# Altium PCB RTv1.4.PcbDoc (part 1 of 2) (continued)
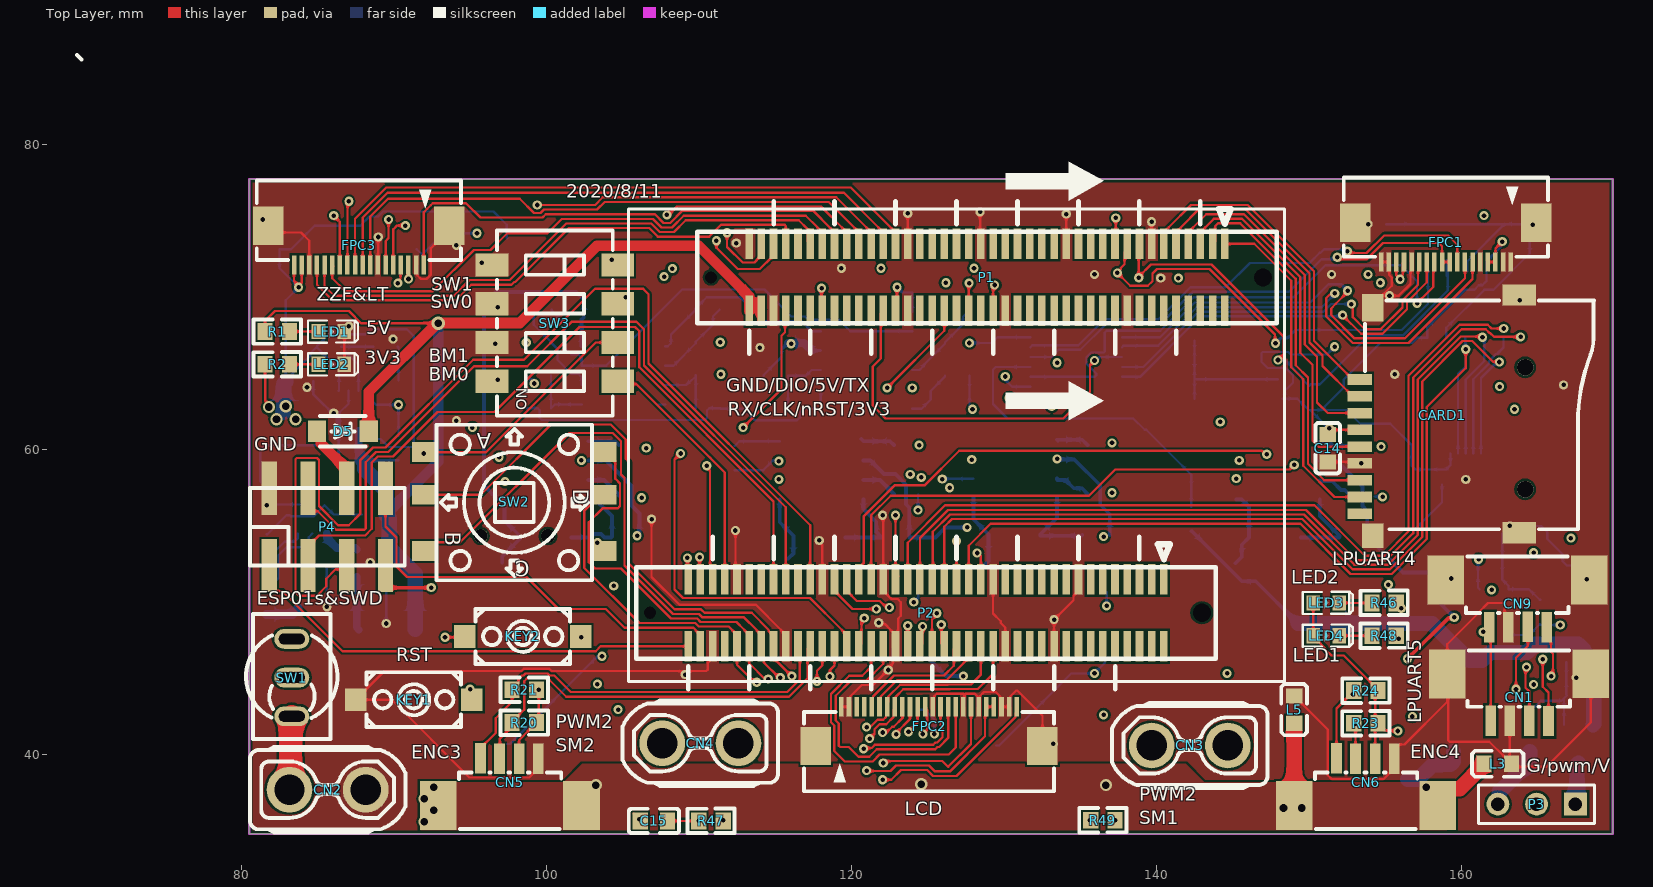
[diagram p0: Top Layer view]
## Footprints (in the part's own frame and the unit in brackets; to place one, negate y for a bottom-side part, rotate by r counter-clockwise, add the part's x,y. Pads: shape width x height; smd on the part's side, far side on the other; paste and mask are expansions set on the pad) (continued)
  rect 1.4x1.5 smd: 1(-3.8,0) 2(3.8,0)
  silkscreen extent -3.1,-1.8 3.1,1.8
L0603 [mm]
  rect 1x1.1 smd: 1(-0.9,0) 2(0.9,0)
  silkscreen extent -1.68,-0.85 1.68,0.85
LED0603_GREEN [mm]
  rect 0.9x1 smd: 1(-0.85,0) 2(0.85,0)
  silkscreen extent -1.54,-0.73 1.75,0.73
LED0603_RED [mm]
  rect 0.9x1 smd: 1(-0.85,0) 2(0.85,0)
  silkscreen extent -1.54,-0.73 1.75,0.73
LGA-16_L3.0-W3.0-P0.50-BL [mm]
  oval 0.28x0.796 smd: 1(-1,-1.55) 2(-0.5,-1.55) 3(0,-1.55) 4(0.5,-1.55) 5(1,-1.55) 9(1,1.55) 10(0.5,1.55) 11(0,1.55) 12(-0.5,1.55) 13(-1,1.55)
  oval 0.796x0.28 smd: 6(1.55,-0.5) 7(1.55,0) 8(1.55,0.5) 14(-1.55,0.5) 15(-1.55,0) 16(-1.55,-0.5)
  silkscreen extent -1.72,-2.3 1.73,1.73
"PCBComponent_1 - duplicate" [mm]
  rect 1.6x0.701 smd: 1(-5.227,2.35) 2(-5.227,1.25) 3(-5.227,0.15) 4(-5.227,-0.95) 5(-5.227,-2.05) 6(-5.227,-3.15) 7(-5.227,-4.25) 8(-5.227,-5.35) 9(-5.227,-6.45)
  rect 1.4x1.6 smd: 10(-4.374,-7.9)
  rect 2.2x1.4 smd: 11(5.226,-7.7) 12(5.226,7.9)
  rect 1.4x1.801 smd: 13(-4.373,7.051)
  round 1.1 hole 1.1 unplated: ""(5.626,-4.85) ""(5.626,3.15)
  silkscreen extent -4.88,-7.47 10.13,7.54
R0603 [mm]
  rect 1x1.1 smd: 1(-0.8,0) 2(0.8,0)
  silkscreen extent -1.55,-0.8 1.55,0.81
R2010 [mm]
  rect 1.4x2.7 smd: 1(-2.5,0) 2(2.5,0)
  silkscreen extent -3.5,-1.6 3.5,1.6
SMT-2.54-2X4P [mm]
  rect 3.5x1 smd: 1(0,0) 2(5.08,0) 3(0,-2.54) 4(5.08,-2.54) 5(0,-5.08) 6(5.08,-5.08) 7(0,-7.62) 8(5.08,-7.62)
  silkscreen extent 0,-8.89 5.08,1.27
SOD-123_L2.8-W1.8-LS3.7-RD [mm]
  rect 1.2x1.4 smd: 1(-1.7,0) 2(1.7,0)
  silkscreen extent -1.5,-1 1.5,1
SOIC-8_L4.9-W3.9-P1.27-LS6.0-BL [mm]
  oval 0.6x1.518 smd: 1(-1.905,-2.74) 2(-0.635,-2.74) 3(0.635,-2.74) 4(1.905,-2.74) 5(1.905,2.74) 6(0.635,2.74) 7(-0.635,2.74) 8(-1.905,2.74)
  silkscreen extent -2.86,-2.86 2.5,2
SOIC-8_L5.0-W4.0-P1.27-LS6.0-BL [mm]
  oval 0.6x1.518 smd: 1(-1.905,-2.74) 2(-0.635,-2.74) 3(0.635,-2.74) 4(1.905,-2.74) 5(1.905,2.74) 6(0.635,2.74) 7(-0.635,2.74) 8(-1.905,2.74)
  silkscreen extent -2.49,-1.67 2.5,1.7
SOP-14_L8.6-W3.9-P1.27-LS6.0-BL [mm]
  oval 0.6x1.798 smd: 1(-3.81,-3) 2(-2.54,-3) 3(-1.27,-3) 4(0,-3) 5(1.27,-3) 6(2.54,-3) 7(3.81,-3) 8(3.81,3) 9(2.54,3) 10(1.27,3) 11(0,3) 12(-1.27,3) 13(-2.54,3) 14(-3.81,3)
  silkscreen extent -4.44,-1.75 4.4,1.78
SOT-23-3_L2.9-W1.3-P1.90-LS2.4-BR [mm]
  rect 1.25x0.7 smd: 1(1.25,-0.95) 2(1.25,0.95) 3(-1.25,0)
  silkscreen extent -0.65,-1.46 0.9,1.46
SOT-23-3_L2.9-W1.6-P1.90-LS2.8-BR [mm]
  rect 1.25x0.7 smd: 1(1.25,-0.95) 2(1.25,0.95) 3(-1.25,0)
  silkscreen extent -0.65,-1.46 0.9,1.46
SOT-23-5_L3.0-W1.7-P0.95-LS2.8-BR [mm]
  rect 1x0.55 smd: 1(1.5,-0.95) 2(1.5,0) 3(1.5,0.95) 4(-1.5,0.95) 5(-1.5,-0.95)
  silkscreen extent -0.9,-1.78 1.65,1.55
SW-TH_1-1825059-8 [mm]
  rect 1.52x2.16 smd: 1(-3.81,-4.13) 2(-1.27,-4.13) 3(1.27,-4.13) 4(3.81,-4.13) 5(3.81,4.13) 6(1.27,4.13) 7(-1.27,4.13) 8(-3.81,4.13)
  silkscreen extent -6.07,-3.8 6.07,3.8
SW-TH_2MD1T1B1M1QES-5 [mm]
  oval 1.3x2.299 hole 0.7 slot 1.7 at 90 deg: 1(-2.54,0) 2(0,0) 3(2.54,0)
  silkscreen extent -4.04,-3 4.16,3
SW-TH_K1-1504SA-03 [mil]
  rect 62.99x51.18 smd: 1(-232.28,127.5) 2(-232.28,17.5) 3(-232.28,-127.5) 4(232.28,127.5) 5(232.28,17.5) 6(232.28,-127.5)
  round 35.43 hole 35.43 unplated: ""(-86.6,-89.1) ""(86.6,-89.1)
  silkscreen extent -201,-203 201,198
TSOT-23-6_L2.9-W1.6-P0.95-LS2.8-BR [mil]
  rect 48x24.5 smd: 1(43.31,-37.4) 3(43.31,37.4) 6(-43.31,-37.4)
  rect 48x24.45 smd: 2(43.31,0)
  rect 48x24.4 smd: 4(-43.31,37.4)
  rect 48x24.55 smd: 5(-43.31,0)
  silkscreen extent -31,-59 89,59
TSOT-23-8_L2.9-W1.6-P0.65-LS2.8-BR [mm]
  rect 1.22x0.4 smd: 1(1.31,-0.97) 2(1.31,-0.33) 3(1.31,0.33) 4(1.31,0.97) 5(-1.31,0.97) 6(-1.31,0.33) 7(-1.31,-0.33) 8(-1.31,-0.97)
  silkscreen extent -0.8,-1.55 1.55,1.45
TSSOP-16_L5.0-W4.4-P0.65-LS6.4-BL [mm]
  rect 0.406x1.803 smd: 1(-2.275,-3) 2(-1.625,-3) 3(-0.975,-3) 4(-0.325,-3) 5(0.325,-3) 6(0.975,-3) 7(1.625,-3) 8(2.275,-3) 9(2.275,3) 10(1.625,3) 11(0.975,3) 12(0.325,3) 13(-0.325,3) 14(-0.975,3) 15(-1.625,3) 16(-2.275,3)
  silkscreen extent -3.3,-3.05 2.5,1.88

## Part data
BUZZER1: BOM_Manufacturer=FUET, BOM_Manufacturer Part=FST-9650B-3V, BOM_Supplier=LCSC, BOM_Supplier Part=C391032, Contributor=LCSC, spicePre=B, spiceSymbolName=FST-9650B-3V
C1 C2 C3 C4 C5 C6 C7 C8 C9 C10 C11 C12 C13 C14 C15 C16 C17 C18: library part C0603, Contributor=LCEDA_Lib, nameAlias=Value(F), spicePre=C, spiceSymbolName=C_0603_US
CARD1: BOM_Manufacturer=SOFNG, BOM_Manufacturer Part=TF-15×15, BOM_Supplier=LCSC, BOM_Supplier Part=C111196, spicePre=C, spiceSymbolName=TF-15×15
CN1 CN5 CN6 CN7 CN8 CN9 CN10: BOM_Manufacturer=HRO, BOM_Supplier=LCSC, spicePre=C
  CN1 CN5 CN6 CN8 CN9 CN10: BOM_Manufacturer Part=1.25T-4P-WT, BOM_Supplier Part=C125739, Contributor=LCSC, spiceSymbolName=1.25T-4P-WT
  CN7: BOM_Manufacturer Part=1.25T-6P-WT, BOM_Supplier Part=C97377, spiceSymbolName=1.25T-6P-WT
CN2 CN3 CN4: BOM_Manufacturer="Changzhou Amass Elec", BOM_Manufacturer Part=XT30UPB-F, BOM_Supplier=LCSC, BOM_Supplier Part=C108769, Contributor=LCSC, nameAlias=Value, spicePre=C, spiceSymbolName=XT30UPB-F
D1 D2 D3 D4 D5: BOM_Manufacturer="BLUE ROCKET", BOM_Manufacturer Part=1N4007W, BOM_Supplier=LCSC, BOM_Supplier Part=C328592, Contributor=LCEDA_Lib, spicePre=D, spiceSymbolName=1N4007W
FPC1 FPC2 FPC3: BOM_Manufacturer=XFCN, BOM_Supplier=LCSC, Contributor=LCSC, spicePre=F
  FPC1 FPC3: BOM_Manufacturer Part=F0502-B-18-20T-R, BOM_Supplier Part=C512918, spiceSymbolName=F0502-B-18-20T-R
  FPC2: BOM_Manufacturer Part=F0502-B-24-20T-R, BOM_Supplier Part=C512919, spiceSymbolName=F0502-B-24-20T-R
KEY1 KEY2: BOM_Manufacturer Part=K2-1107ST-A4SW-06, BOM_Supplier=LCSC, BOM_Supplier Part=C118141, Contributor=LCEDA_Lib, spicePre=K, spiceSymbolName=K2-3.6×6.1_SMD, 制造商=韩国韩荣
L1 L2: library part L0420, BOM_Manufacturer="Changjiang Microelectronics Tech", BOM_Manufacturer Part=FXL0420-2R2-M, BOM_Supplier=LCSC, BOM_Supplier Part=C167206, Contributor=LCSC, nameAlias=Inductance, spicePre=L, spiceSymbolName=FXL0420-2R2-M
L3 L5: library part L0603, Contributor=LCEDA_Lib, nameAlias=Value(H), spicePre=L, spiceSymbolName=L0603_US
LED1 LED4: BOM_Manufacturer=EVERLIGHT(台湾亿光), BOM_Manufacturer Part=19-217/R6C-AL1M2VY/3T, BOM_Supplier=LCSC, BOM_Supplier Part=C72044, Contributor=LCEDA_01, spicePre=L, spiceSymbolName=LED-0603_R
LED2 LED3: BOM_Manufacturer=EVERLIGHT(台湾亿光), BOM_Manufacturer Part=19-217/GHC-YR1S2/3T, BOM_Supplier=LCSC, BOM_Supplier Part=C72043, Contributor=LCEDA_Lib, spicePre=L, spiceSymbolName=LED-0603_G
P1: library part Header40X2_left, "Header, 30-Pin, Dual row", LatestRevisionDate=17-Jul-2002, LatestRevisionNote="Re-released for DXP Platform.", Publisher="Altium Limited"
P2: library part Header40X2_right, "Header, 30-Pin, Dual row", LatestRevisionDate=17-Jul-2002, LatestRevisionNote="Re-released for DXP Platform.", Publisher="Altium Limited"
P3: "Header, 3-Pin", LatestRevisionDate=17-Jul-2002, LatestRevisionNote="Re-released for DXP Platform.", Publisher="Altium Limited"
Q1 Q3 Q4 Q5 Q6 Q7 Q8 Q9: BOM_Manufacturer="Infineon Technologies", BOM_Manufacturer Part=IRLR7843TRLPBF, BOM_Supplier=LCSC, BOM_Supplier Part=C538178, Contributor=LCSC, spicePre=Q, spiceSymbolName=IRLR7843TRLPBF
Q2 Q10: BOM_LCSC Assembly=Yes, BOM_Manufacturer=AOS, BOM_Supplier=LCSC, SMT Type=Extend, spicePre=Q
  Q2: BOM_Manufacturer Part=AO3415, BOM_Supplier Part=C14354, image=//image.lceda.cn/szlcsc/C14354.jpg, spiceSymbolName=AO3415
  Q10: BOM_Manufacturer Part=AO3416, BOM_Supplier Part=C43307, spiceSymbolName=AO3416
R1 R2 R3 R4 R5 R6 R7 R8 R9 R10 R11 R12 R15 R16 R17 R18 R19 R20 R21 R23 R24 R25 R26 R27 R28 R29 R30 R31 R32 R33 R34 R35 R36 R37 R38 R39 R40 R41 R42 R43 R44 R45 R46 R47 R48 R49 R50 R51 R52 R59 R60: library part R0603, Contributor=LCEDA_Lib, nameAlias=Value(Ω), spicePre=R, spiceSymbolName=R_0603_EU
R13 R14 R22: library part R2010, Contributor=LCEDA_Lib, nameAlias=Value(Ω), spicePre=R, spiceSymbolName=R_2010_EU
SW1: BOM_Manufacturer=Dailywell, BOM_Manufacturer Part=2MS1T1B1M1QES-5, BOM_Supplier=LCSC, BOM_Supplier Part=C496169, Contributor=LCSC, spicePre=S, spiceSymbolName=2MS1T1B1M1QES-5
SW2: library part 五向-大, BOM_Manufacturer=HRO, BOM_Manufacturer Part=K1-1504SA-03, BOM_Supplier=LCSC, BOM_Supplier Part=C145913, Contributor=LCSC, spicePre=S, spiceSymbolName=K1-1504SA-03
SW3: library part switch, BOM_Manufacturer="TE Connectivity", BOM_Manufacturer Part=1-1825059-8, BOM_Supplier=LCSC, BOM_Supplier Part=C266185, Contributor=LCSC, spicePre=S, spiceSymbolName=1-1825059-8
U1 U2: BOM_LCSC Assembly=Yes, BOM_Manufacturer=MPS, BOM_Supplier=LCSC, SMT Type=Extend, spicePre=U
  U1: BOM_Manufacturer Part=MP1471AGJ-Z, BOM_Supplier Part=C58565, image=//image.lceda.cn/szlcsc/C58565.jpg, spiceSymbolName=MP1471AGJ-Z
  U2: BOM_Manufacturer Part=MP2161GJ-Z, BOM_Supplier Part=C84831, image=//image.lceda.cn/szlcsc/C84831.jpg, spiceSymbolName=MP2161GJ-Z
U3 U5 U6 U7: BOM_LCSC Assembly=Yes, BOM_Manufacturer=IR, BOM_Manufacturer Part=IR2104STRPBF, BOM_Supplier=LCSC, BOM_Supplier Part=C2960, image=//image.lceda.cn/szlcsc/C2960.jpg, SMT Type=Extend, spicePre=X, spiceSymbolName=IR2104STRPBF
U4: BOM_LCSC Assembly=Yes, BOM_Manufacturer=TI, BOM_Manufacturer Part=SN74LVC1G126DBVR, BOM_Supplier=LCSC, BOM_Supplier Part=C7834, image=//image.lceda.cn/szlcsc/C7834.jpg, SMT Type=Extend, spicePre=U, spiceSymbolName=SN74LVC1G126DBVR
U8: BOM_Manufacturer=IDCHIP, BOM_Manufacturer Part=LMV324, BOM_Supplier=LCSC, BOM_Supplier Part=C395458, spicePre=U, spiceSymbolName=LMV324, subpart_no=1
U9: BOM_Manufacturer=ADI, BOM_Manufacturer Part=AD8066ARZ, BOM_Supplier=LCSC, BOM_Supplier Part=C9647, image=http://image.lceda.cn/szlcsc/C9647.jpg, spicePre=U, spiceSymbolName=AD8066ARZ, subpart_no=1, tags="FET Operational Amplifier"
U10: BOM_Manufacturer="Hua Hong NEC", BOM_Manufacturer Part=K24C02, BOM_Supplier=LCSC, BOM_Supplier Part=C10510, image=//image.lceda.cn/szlcsc/C10510.jpg, spicePre=U, spiceSymbolName=K24C02_C10510
U11: BOM_LCSC Assembly=Yes, BOM_Manufacturer=Nexperia, BOM_Manufacturer Part=74HC4051PW,118, BOM_Supplier=LCSC, BOM_Supplier Part=C5645, image=//image.lceda.cn/szlcsc/C5645.jpg, SMT Type=Extend, spicePre=U, spiceSymbolName=74HC4051PW,118
U12: BOM_LCSC Assembly=Yes, BOM_Manufacturer="TDK InvenSense", BOM_Manufacturer Part=ICM-20602, BOM_Supplier=LCSC, BOM_Supplier Part=C97633, Contributor=LCSC, SMT Type=Extend, spicePre=U, spiceSymbolName=ICM-20602
P4: BOM_Supplier=null, BOM_Supplier Part=2x4P, Contributor=before_light, spicePre=P, spiceSymbolName=SMT-2.54-2X4P

## Via types
v1: diameter 0.6, hole 0.3, Top Layer to Bottom Layer, tented both sides, 210 vias
v2: diameter 0.8, hole 0.5, Top Layer to Bottom Layer, tented both sides, 14 vias
v3: diameter 0.6, hole 0.3, Top Layer to Bottom Layer, 4 vias
v4: diameter 0.9, hole 0.5, Top Layer to Bottom Layer, tented both sides, 1 vias

## Nets (pads, with @x,y where several pads share a name; then routed paths per layer and width w, separated by ;. In a path a pad name is that pad's centre, name@x,y a point inside that pad or via, vN(x,y) a via of type N, cw(c..) or ccw(c..) an arc to the next point about the centre after c; other vN are vias at no path point)
A2_SEMC_CKE: P2.2
A3_SEMC_A12: P2.6
A4_SEMC_A8: P2.10
A5_SEMC_A7: P2.12
A6_SEMC_A4: P2.16
A7_ENET_MDC: P2.24
A8_LCDIF_DATA02: FPC2.6 P2.34 | length 8.3
  Top Layer w0.15: FPC2.6@121.85,43.138 121.925,43.213 121.925,43.806 123.006,44.888 126.212,44.888 126.224,44.9 126.268,44.9 127.375,46.007 127.375,46.025 127.7,46.35 P2.34@127.7,47.1
A9_LCDIF_DATA03: FPC2.5 P2.36 | length 8.2
  Top Layer w0.15: FPC2.5@121.35,43.138 121.425,43.213 121.425,43.806 122.807,45.188 126.088,45.188 126.725,45.825 126.725,46.925 P2.36@126.9,47.1
A10_LCDIF_DATA07/BT_CFG_7: P2.44 U7.2 | length 38.9
  Top Layer w0.15: P2.44@123.7,47.1 v1(123.7,48.45)
  Layer GND w0.15: v1(97.296,57.904) 105.761,57.904 105.907,58.05 114.25,58.05 114.95,57.35 123,57.35 123.883,58.233 123.883,58.358 v1(123.866,58.375)
  Layer VCC w0.15: v1(123.7,48.45) 123.7,48.572 123.575,48.697 123.575,55.533 123.625,55.583 123.625,57.975 123.883,58.233 123.883,58.358 v1(123.866,58.375)
A11_LCDIF_DATA12: CN9.4 P2.56 | length 54.3
  Top Layer w0.15: v1(118.6,45.125) 118.6,45.55 118.9,45.85 P2.56@118.9,47.1 ; CN9.4@165.626,49.004 CN9.4@165.626,48.354 165.901,48.079 165.901,46.742 166.025,46.619 166.025,45.397 165.9,45.272 v1(165.9,45.15)
  Layer GND w0.15: v1(118.6,45.125) 118.7,45.025 123.017,45.025 123.667,45.675 134.858,45.675 135.733,44.8 150.172,44.8 150.522,45.15 v1(165.9,45.15)
A12_ENET_TX_D1: BUZZER1.2 C16.1 P2.31 | length 59.9
  Top Layer w0.15: v1(128.252,53.225) 128.325,53.225 128.5,53.05 P2.31@128.5,51.5
  Layer GND w0.15: v1(95.45,74.2) 97.725,71.925 104.517,71.925 104.742,72.15 105.424,72.15 105.674,72.4 113.35,72.4 114.375,71.375 124.568,71.375 125.093,71.9 v1(128.05,71.9)
  Layer VCC w0.15: v1(128.05,71.9) 128.475,71.475 128.475,58.219 128.252,57.996 v1(128.252,53.225)
  Bottom Layer w0.15: BUZZER1.2@91.5,73.15 91.85,72.8 93.25,74.2 v1(95.45,74.2)
A13_ENET_TX_EN: P2.35 SW3.3 | length 41.2
  Top Layer w0.15: P2.35@126.9,51.5 v1(126.9,54)
  Layer GND w0.15: v1(105.2,70) 105.275,70.075 125.325,70.075 v1(126.2,70.95)
  Layer VCC w0.15: v1(126.2,70.95) 126.975,70.175 126.975,54.075 v1(126.9,54)
ADC_CH3_CH0: R44.1 R45.2 U11.13 | length 21.8
  Bottom Layer w0.15: U11.13@131.75,65.425 129.475,65.425 129.3,65.25 129.3,63 130.25,62.05 138.5,62.05 139.25,61.3 139.35,61.3 142.3,58.35 R44.1@142.3,56.25
ADC_CH3_CH1: FPC1.9 FPC1.10 U11.14 | length 31.8
  Top Layer w0.15: v1(151.871,72.625) 151.882,72.636 152.007,72.636 152.143,72.5 153.824,72.5 154.874,73.55 158.55,73.55 158.75,73.35 FPC1.10@158.75,72.312 FPC1.9@159.25,72.312
  Bottom Layer w0.15: U11.14@131.75,66.075 133.133,66.075 133.607,66.549 135.023,66.549 136.724,68.25 140.281,68.25 142.381,70.35 148.7,70.35 150.85,72.5 151.621,72.5 v1@151.746,72.626 ; v1@151.747,72.625 v1(151.871,72.625)
ADC_CH3_CH2: FPC1.8 U11.15 | length 32.6
  Top Layer w0.15: v1(152.533,73.025) 152.656,72.902 152.656,72.9 153.8,72.9 154.95,74.05 159.15,74.05 159.75,73.45 FPC1.8@159.75,72.312
  Bottom Layer w0.15: U11.15@131.75,66.725 131.874,66.849 134.899,66.849 136.6,68.55 140.15,68.55 142.25,70.65 144.55,70.65 146.15,72.25 150.05,72.25 150.72,72.92 150.77,72.92 151,73.15 152.089,73.15 152.128,73.111 152.446,73.111 v1(152.533,73.025)
ADC_CH3_CH3: FPC1.11 U11.12 | length 35.8
  Top Layer w0.15: v1(157.108,69.592) 157.108,69.608 158.175,70.675 158.175,72.237 FPC1.11@158.25,72.312
  Bottom Layer w0.15: U11.12@131.75,64.775 135.975,64.775 136.067,64.867 136.067,64.991 135.425,65.633 135.425,66.067 135.733,66.375 136.535,66.375 136.623,66.463 136.623,67.671 136.755,67.803 140.259,67.803 142.456,70 149,70 151.1,72.1 156.05,72.1 157.108,71.042 v1(157.108,69.592)
ADC_CH3_CH4: FPC1.7 U11.1 | length 30.6
  Top Layer w0.15: v1(152.55,70.425) 152.55,70.342 151.783,69.575 151.475,69.267 151.475,68.833 153.008,67.3 156.3,67.3 160.25,71.25 FPC1.7@160.25,72.312
  Bottom Layer w0.15: U11.1@137.75,67.375 140.255,67.375 142.53,69.65 150.1,69.65 151.3,70.85 152.15,70.85 152.5,70.5 152.5,70.475 v1(152.55,70.425)
ADC_CH3_CH5: FPC1.12 U11.5 | length 25.2
  Top Layer w0.15: v1(152.225,68.825) 153.45,67.6 154.843,67.6 156.45,69.207 156.45,69.676 157.75,70.976 FPC1.12@157.75,72.312
  Bottom Layer w0.15: U11.5@137.75,64.775 138.928,64.775 142.903,68.75 152.15,68.75 v1(152.225,68.825)
ADC_CH3_CH6: FPC1.6 U11.2 | length 30.5
  Top Layer w0.15: v1(151.715,70.25) 151.644,70.179 151.379,70.179 151.15,69.95 151.15,68.733 152.883,67 156.55,67 160.75,71.2 FPC1.6@160.75,72.312
  Bottom Layer w0.15: U11.2@137.75,66.725 137.852,66.827 140.131,66.827 142.654,69.35 150.85,69.35 151.715,70.215 v1(151.715,70.25)
ADC_CH3_CH7: FPC1.13 U11.4 | length 25.3
  Top Layer w0.15: v1(152.8,69.55) 152.886,69.464 152.886,69.251 152.9,69.237 152.9,68.683 153.683,67.9 154.718,67.9 156.15,69.332 156.15,69.8 157.175,70.825 157.175,72.238 FPC1.13@157.25,72.312
  Bottom Layer w0.15: U11.4@137.75,65.425 139.153,65.425 142.778,69.05 150.974,69.05 151.474,69.55 v1(152.8,69.55)
B1_SEMC_A6: P2.5
B2_SEMC_A9: P2.1
B3_SEMC_CLK: P2.4
B4_SEMC_A11: P2.8
B6_SEMC_A5: P2.14
B7_SEMC_DQS: P2.22
B8_LCDIF_DATA01: FPC2.7 KEY2.2 P2.32 | length 32.6
  Top Layer w0.15: v1(121,41.8) 121.225,41.8 121.713,42.288 122.093,42.288 122.275,42.469 122.275,43.063 FPC2.7@122.35,43.138 122.35,43.4 122.425,43.475 122.425,43.806 123.206,44.588 126.336,44.588 126.349,44.6 127.85,44.6 128.5,45.25 P2.32@128.5,47.1
  Layer GND w0.15: v1(102.3,47.7) 109.5,47.7 115.4,41.8 v1(121,41.8)
B9_LCDIF_DATA04: P2.38 U3.2 | length 29.8
  Top Layer w0.15: v1(125.9,48.525) 125.9,47.3 P2.38@126.1,47.1
  Layer GND w0.15: v1(126.45,57.5) 136.164,57.5 136.764,58.1 v1(145.25,58.1)
  Layer VCC w0.15: v1(125.9,48.525) 125.9,48.55 126.375,49.025 126.375,57.425 v1(126.45,57.5)
B11_LCDIF_DATA13: CN9.3 P2.58 | length 52.9
  Top Layer w0.15: v1(117.75,44.8) 117.75,45.5 118.1,45.85 P2.58@118.1,47.1 ; v1(163.6,44.3) 163.6,46.35 164.377,47.127 CN9.3@164.377,48.371
  Layer GND w0.15: v1(117.75,44.8) 117.763,44.8 118.063,44.5 163.287,44.5 163.487,44.3 v1(163.6,44.3)
B12_ENET_TX_D0: CN7.3 P2.33 U12.2 | length 56.5
  Top Layer w0.15: P2.33@127.7,51.5 127.7,53.7 129.15,55.15 149.45,55.15 152.75,51.85 155.45,51.85 157.75,54.15 157.75,62.8 160.3,65.35 160.3,66.585 v1(160.306,66.591)
  Bottom Layer w0.15: U12.2@159.8,59.75 159.8,64.974 160.299,65.473 160.299,66.597 CN7.3@160.238,66.658 ; CN7.3@160.275,66.695 CN7.3@160.275,67.344 ; CN7.3@160.299,66.591 v1(160.306,66.591)
B13_ENET_TX_CLK: P2.45 SW3.4 | length 39.1
  Top Layer w0.15: P2.45@122.9,51.5 123.1,51.7 122.9,51.9 v1(122.9,55.7)
  Layer GND w0.15: v1(104.3,72.45) 105.3,72.45 105.625,72.775 121.075,72.775 v1(121.95,71.9)
  Layer VCC w0.15: v1(121.95,71.9) 121.95,70.5 122.9,69.55 v1(122.9,55.7)
B14_LCD_PWM: CN6.4 P2.49 R24.2 | length 54.9
  Top Layer w0.15: P2.49@121.3,51.5 121.3,55.692 122.583,56.975 135.591,56.975 137.316,58.7 148.75,58.7 v1(149.05,59) ; CN6.4@151.824,39.746 151.824,43.024 152.95,44.15 R24.2@152.95,44.2
  Layer VCC w0.15: v1(149.05,59) 152.9,55.15 v1(152.9,43.95)
C1_SEMC_BA0: P2.25
C2_SEMC_A0: P2.3
C3_SEMC_D14: P1.8
C4_SEMC_D11: P1.6
C5_SEMC_D9: P1.4
C6_SEMC_D8: P1.2
C7_ENET_MDIO: P2.26
C8_LCDIF_DATA00: FPC2.8 P2.30 SW2.6 | length 41.4
  Top Layer w0.15: v1(121.2,41.05) 121.525,41.375 121.525,41.667 121.845,41.988 122.293,41.988 122.775,42.469 122.775,42.925 122.85,43 FPC2.8@122.85,43.138 122.925,43.212 122.925,43.806 123.407,44.288 126.46,44.288 126.473,44.3 128.3,44.3 129,45 129.3,45.3 P2.30@129.3,47.1
  Layer GND w0.15: v1(103.35,44.625) 103.425,44.55 111.239,44.55 114.739,41.05 v1(121.2,41.05)
  Layer VCC w0.15: v1(103.35,44.625) 103.275,44.625 103.125,44.775 103.125,49.568 103.35,49.793 v1(103.35,53.9)
C9_LCDIF_DATA05: P2.40 U5.2 | length 13.6
  Top Layer w0.15: P2.40@125.3,47.1 125.3,48.9 125.618,49.218 v1(125.618,49.275)
  Layer VCC w0.15: v1(125.618,49.275) 125.6,49.293 125.6,58.013 125.725,58.138 125.893,58.138 v1(125.962,58.069)
  Bottom Layer w0.15: v1(125.962,58.069) 125.985,58.092 127.987,58.092 U5.2@128.01,58.115
C10_LCDIF_DATA08: FPC2.15 P2.48 | length 18.5
  Top Layer w0.15: P2.48@122.1,47.1 122.092,47.092 122.092,45.963 120.994,44.865 119.984,44.865 118.975,43.856 118.975,42.24 119.185,42.03 119.185,40.588 119.273,40.5 119.827,40.5 120.473,39.854 121.175,39.854 121.671,40.35 125.5,40.35 125.65,40.5 125.767,40.5 126.35,41.083 FPC2.15@126.35,43.138
C11_LCDIF_DATA14: CN5.3 P2.60 R20.2 | length 27.8
  Top Layer w0.15: CN5.3@96.95,39.791 96.95,41.05 97.95,42.05 97.9,42.1 R20.2@97.75,42.1 97.75,42.15 98.55,42.95 98.55,44.818 98.757,45.025 99.943,45.025 100.085,44.883 100.217,44.883 101.3,43.8 115.917,43.8 117.125,45.008 117.125,46.925 P2.60@117.3,47.1
C12_ENET_CRS: CN7.4 P2.39 U12.3 | length 61.3
  Top Layer w0.15: P2.39@125.3,51.5 125.35,51.55 125.35,54.624 126.476,55.75 149.699,55.75 152.999,52.45 155.201,52.45 157.15,54.399 157.15,64.601 159.974,67.425 161.35,67.425 v1(161.4,67.375)
  Bottom Layer w0.15: U12.3@160.3,59.75 160.3,64.607 161.525,65.832 CN7.4@161.525,67.346
C13_ENET_RX_ER: P2.37 U12.5 | length 60.8
  Top Layer w0.15: P2.37@126.1,51.5 126.1,54.95 126.6,55.45 149.574,55.45 152.874,52.15 155.326,52.15 157.45,54.274 157.45,64.477 160.095,67.122 160.736,67.122 162.089,65.769 162.494,65.769 v1(162.513,65.75)
  Bottom Layer w0.15: U12.5@161.3,59.75 161.3,64.7 162.35,65.75 v1(162.513,65.75)
C14_LCD_TPINT: CN6.3 P2.51 R23.2 | length 55.1
  Top Layer w0.15: P2.51@120.5,51.5 120.5,51.7 120.45,51.75 120.45,52.2 120.825,52.575 120.825,55.642 122.842,57.659 124.809,57.659 127.075,59.925 146.937,59.925 147.162,59.7 v1(147.25,59.7) ; R23.2@152.95,42.05 v1(153.012,41.988) 153.073,41.927 CN6.3@153.073,39.729
  Layer VCC w0.15: v1(147.25,59.7) 152.3,54.65 152.3,42.7 v1(153.012,41.988)
D1_SEMC_WE: P2.23
D2_SEMC_RAS: P2.21
D3_SEMC_CAS: P2.27
D4_SEMC_D12: P1.12
D5_SEMC_D10: P1.10
D6_SEMC_DM1: P2.18
D7_LCDIF_CLK: FPC2.9 P2.72 SW2.5 | length 33.4
  Top Layer w0.15: SW2.5@103.7,57.094 103.075,56.47 102.97,56.47 102.475,55.975 102.475,52.263 106.113,48.625 109.767,48.625 109.992,48.4 111.968,48.4 112.175,48.193 112.175,48.175 112.5,47.85 P2.72@112.5,47.1 112.5,45.9 113.65,44.75 v1(113.8,44.75) ; v1(122.05,41.45) 122.307,41.45 122.683,41.825 122.783,41.825 123.35,42.392 FPC2.9@123.35,43.138
  Layer GND w0.15: v1(113.8,44.75) 113.65,44.75 115.8,42.6 120.942,42.6 122.05,41.492 v1(122.05,41.45)
D8_LCDIF_VSYNC: FPC2.11 P2.68 SW2.3 U11.10 | length 79.9
  Top Layer w0.15: SW2.3@92,53.362 92.288,53.362 92.35,53.3 92.35,53.362 92.35,53.562 92.725,53.936 94.345,53.936 101.509,61.1 104.35,61.1 104.9,60.55 104.9,58.375 105.125,58.15 105.125,55.975 105.125,53.199 105.125,52.401 108.301,49.225 109.099,49.225 110.016,49.225 110.241,49 112.968,49 113.775,48.193 113.775,48.175 114.1,47.85 P2.68@114.1,47.1 114.275,46.925 114.275,46.025 115.25,45.05 v1(115.35,45.05) ; v1(123.75,41.5) 124.35,42.1 FPC2.11@124.35,43.138 FPC2.11@124.425,43.062
  Layer GND w0.15: v1(115.35,45.05) 115.4,45.05 117.2,43.25 122,43.25 v1(123.75,41.5)
  Layer VCC w0.15: v1(123.75,41.5) 123.808,41.5 124.783,40.525 126.325,40.525 130.4,44.6 130.4,63.35 v1(130.35,63.4)
  Bottom Layer w0.15: v1(130.35,63.4) 130.425,63.475 U11.10@131.75,63.475
D9_LCDIF_DATA06/BT_CFG_6: P2.42 U6.2 | length 22.1
  Top Layer w0.15: P2.42@124.5,47.1 124.675,47.275 v1(124.675,48.4)
  Layer GND w0.15: v1(115.25,58.05) 116.1,58.9 124.45,58.9 124.879,58.471 124.879,58.188 124.595,58.188 v1(124.591,58.184)
  Layer VCC w0.15: v1(124.591,58.184) 124.675,58.1 124.675,57.492 124.9,57.267 124.9,49.767 124.675,49.542 v1(124.675,48.4)
D10_LCDIF_DATA09: FPC2.16 P2.50 | length 19.8
  Top Layer w0.15: P2.50@121.3,47.1 121.3,45.75 120.715,45.165 119.86,45.165 118.675,43.98 118.675,42.116 118.885,41.906 118.885,40.238 119.569,39.554 121.404,39.554 121.85,40 126.387,40 126.85,40.463 FPC2.16@126.85,43.138
D11_LCDIF_DATA15: CN5.4 P2.62 R21.2 | length 27.9
  Top Layer w0.15: CN5.4@95.95,39.674 95.95,40.7 96.674,41.424 96.674,42.392 97.75,43.468 R21.2@97.75,44.25 98.175,44.675 98.175,44.949 98.409,45.183 98.49,45.183 98.632,45.325 100.067,45.325 100.21,45.183 100.517,45.183 101.6,44.1 115.792,44.1 116.317,44.625 116.625,44.933 116.625,46.975 P2.62@116.5,47.1
D12_ENET_RX_D1: CN7.5 P2.43 U12.4 | length 64.7
  Top Layer w0.15: P2.43@123.7,51.5 123.7,53.9 126.15,56.35 150.382,56.35 153.682,53.05 154.953,53.05 156.55,54.647 156.55,64.85 159.9,68.2 161.742,68.2 161.992,67.95 v1(162.8,67.95)
  Bottom Layer w0.15: U12.4@160.8,59.75 160.8,64.624 161.825,65.649 161.825,65.805 162.295,66.275 162.356,66.275 162.775,66.694 CN7.5@162.775,67.346
D13_SD1_CD: CN1.4 P2.53 | length 53.1
  Top Layer w0.15: P2.53@119.7,51.5 119.7,50.75 120.025,50.425 120.025,50.407 120.357,50.075 121.867,50.075 122.292,49.65 v1(122.5,49.65) ; v1(165.35,46.25) 165.35,44.449 165.726,44.072 CN1.4@165.726,42.204
  Layer GND w0.15: v1(122.5,49.65) 122.675,49.475 124.651,49.475 125.451,50.275 161.325,50.275 v1(165.35,46.25)
D14_WDOG1_B: CN1.3 P2.55 | length 52.4
  Top Layer w0.15: P2.55@118.9,51.5 118.9,50.75 119.225,50.425 119.225,50.407 120.082,49.55 v1(121.65,49.55) ; v1(164.287,45.738) 164.225,45.675 164.225,44.382 164.477,44.13 CN1.3@164.477,42.221
  Layer GND w0.15: v1(121.65,49.55) 121.858,49.55 122.283,49.125 124.726,49.125 125.401,49.8 135.958,49.8 139.908,45.85 151.98,45.85 152.093,45.738 v1(164.287,45.738)
E1_SEMC_CS0: P2.19
E3_SEMC_D0: P1.20
E4_SEMC_D15: P1.16
E5_SEMC_D13: P1.14
E7_LCDIF_ENABLE: FPC2.10 P2.70 SW2.4 U11.9 | length 68.8
  Top Layer w0.15: SW2.4@103.8,59.839 103.8,59.8 104.1,59.5 104.289,59.5 104.525,59.264 104.525,58.088 104.825,57.788 104.825,56.301 104.674,56.15 103.688,56.15 102.775,55.237 102.775,52.613 103.188,52.2 104.901,52.2 108.176,48.925 109.892,48.925 110.117,48.7 112.468,48.7 112.975,48.193 112.975,48.175 113.3,47.85 P2.70@113.3,47.1 113.3,45.992 114.342,44.95 v1(114.55,44.95) ; v1(122.943,41.325) 122.943,41.435 123.85,42.342 FPC2.10@123.85,43.138
  Layer GND w0.15: v1(114.55,44.95) 116.55,42.95 121.292,42.95 122.917,41.325 v1(122.943,41.325)
  Layer VCC w0.15: v1(122.943,41.325) 122.968,41.3 123.208,41.3 124.408,40.1 127.2,40.1 131.875,44.775 131.875,61.025 133.125,62.275 133.125,62.825 v1(133.15,62.85)
  Bottom Layer w0.15: U11.9@131.75,62.85 U11.9@131.75,62.825 131.827,62.748 132.927,62.748 133.028,62.85 v1(133.15,62.85)
E8_LCDIF_HSYNC: FPC2.12 P2.66 SW2.2 U11.11 | length 80
  Top Layer w0.15: SW2.2@92,57.045 95.695,57.045 100.3,61.65 104.224,61.65 105.2,60.674 105.2,59.4 105.425,59.175 105.425,55.851 105.425,52.525 108.425,49.525 110.14,49.525 110.365,49.3 113.468,49.3 114.575,48.193 114.575,48.113 114.663,48.025 114.725,48.025 114.9,47.85 114.9,46.332 116.082,45.15 v1(116.1,45.15) ; v1(124.7,41.35) 124.975,41.625 124.975,42.912 FPC2.12@124.9,42.987 ; FPC2.12@124.85,43.138 124.925,43.063 124.925,42.987 FPC2.12@124.925,42.912
  Layer GND w0.15: v1(116.1,45.15) 116.15,45.15 117.75,43.55 122.5,43.55 v1(124.7,41.35) 124.9,41.55 124.9,41.6
  Layer VCC w0.15: v1(124.7,41.35) 124.708,41.35 125.233,40.825 125.667,40.825 129.05,44.208 129.05,60.75 129.7,61.4 129.7,64.1 130.014,64.414 130.014,64.714 v1(130.1,64.8)
  Bottom Layer w0.15: v1(130.1,64.8) 130.1,64.564 130.539,64.125 U11.11@131.75,64.125
E10_LCDIF_DATA10: P2.52 R50.2 U4.1 | length 46.2
  Top Layer w0.15: P2.52@120.5,47.1 120.675,47.275 120.675,48.775 v1(120.85,48.95)
  Layer GND w0.15: v1(120.85,48.95) 120.85,49.492 124.058,52.7 160.837,52.7 160.851,52.714 161.064,52.714 v1(161.15,52.8)
  Bottom Layer w0.15: R50.2@161.1,52.8 161.1,50.95 U4.1@161.2,50.85
E11_LCDIF_DATA11: P2.54 R51.2 U3.3 U5.3 U6.3 U7.3 | length 75.2
  Top Layer w0.15: v1(108.8,59.75) 108.4,59.35 108.4,50.832 108.957,50.275 117.293,50.275 119.375,48.193 119.375,48.175 119.7,47.85 P2.54@119.7,47.1
  Layer GND w0.15: v1(96.9,59.5) 96.9,59.55 96.95,59.5 99.607,59.5 99.932,59.825 104.093,59.825 104.343,59.575 108.503,59.575 108.678,59.75 v1(108.8,59.75) 114.75,59.75 v1(115.25,59.25) 115.3,59.3 127.85,59.3 v1(127.9,59.35) 130.632,59.35 131.107,58.875 139.275,58.875 139.75,59.35 145.4,59.35 v1(145.45,59.3)
  Bottom Layer w0.15: R51.2@112.35,58.65 114.216,58.65 114.851,59.285 U6.3@115.31,59.285
E12_ENET_RX_D0: CN7.6 P2.41 | length 56.7
  Top Layer w0.15: P2.41@124.5,51.5 124.5,54.2 126.35,56.05 149.823,56.05 153.123,52.75 155.077,52.75 156.85,54.523 156.85,64.726 160.024,67.9 161.617,67.9 161.867,67.65 161.9,67.65 162.15,67.4 v1(163.9,67.4)
E14_JTAG_TMS/SWD_DIO: P2.63 P4.4 | length 52.5
  Top Layer w0.15: P4.4@84.36,57.48 84.36,56.391 84.785,55.966 84.997,55.966 86.213,54.75 88.062,54.75 88.15,54.838 88.15,59.182 88.818,59.85 89.622,59.85 95.247,65.475 98.751,65.475 101.676,68.4 105.893,68.4 106.4,67.893 106.4,65.526 115.7,56.226 P2.63@115.7,51.5
ENC1.A: P1.64
ENC1.B: P1.51
ENC2.A: P2.61
ENC2.B: P2.69
F1_SEMC_BA1: P2.17
F2_SEMC_D4: P1.24
F3_SEMC_D1: P1.26
F4_SEMC_D2: P1.22
F11_BOOT_MODE0: P2.73 SW3.1 | length 17.5
  Top Layer w0.15: SW3.1@103.95,64.85 105.36,64.85 105.36,64.638 105.685,64.313 105.897,64.313 110.739,59.471 111.7,58.51 P2.73@111.7,51.5
F12_JTAG_TCK/SWD_CLK: P2.65 P4.3 | length 51.5
  Top Layer w0.15: P4.3@84.36,52.4 84.36,53.65 85.085,54.375 88.111,54.375 88.55,54.814 88.55,59.158 88.942,59.55 89.943,59.55 92.866,62.473 96.597,62.473 98.471,64.347 102.174,68.05 105.819,68.05 106.1,67.769 106.1,65.401 114.9,56.601 P2.65@114.9,51.5
F13_SAI2_RXD: P2.67
G1_SEMC_A1: P2.9
G2_SEMC_A10: P2.11
G3_SEMC_A2: P2.7
G4_SEMC_D3: P1.28
G5_SEMC_D5: P1.30
G10_JTAG_nTRST: P2.59 P4.5 | length 72
  Top Layer w0.15: P4.5@86.9,52.4 86.9,52.2 86.95,52.15 86.175,52.15 85.564,51.539 85.564,51.036 84.953,50.425 83.767,50.425 83.55,50.642 83.55,59.367 83.638,59.455 84.412,59.455 84.953,59.455 85.085,59.323 85.085,58.752 85.085,56.303 86.338,55.05 87.038,55.05 87.8,55.812 87.8,59.319 88.631,60.15 89.45,60.15 95.2,65.9 98.528,65.9 103.183,70.555 106.345,70.555 106.7,70.2 106.7,65.65 117.3,55.05 P2.59@117.3,51.5
G11_ENET_nRST: FPC3.3 P2.77 | length 39.7
  Top Layer w0.15: FPC3.3@90.95,72.112 90.954,72.109 90.954,71.2 v1(90.957,71.196) ; v1(110.05,52.95) 110.05,51.8 110.15,51.7 110.1,51.65 P2.77@110.1,51.5
  Layer GND w0.15: v1(90.957,71.196) 91.036,71.275 104.292,71.275 104.867,71.85 105.549,71.85 105.574,71.875 v1(108.261,71.875)
  Layer VCC w0.15: v1(108.261,71.875) 108.261,54.739 v1(110.05,52.95)
G12_CSI_D3/ROW0: FPC3.9 P1.57 | length 39.8
  Top Layer w0.15: FPC3.9@87.95,72.112 87.95,75.225 89.576,76.85 119.518,76.85 121.775,74.593 121.775,74.575 122.1,74.25 P1.57@122.1,73.5
G14_BOOT_MODE1: KEY2.1 P2.75 SW2.1 SW3.2 | length 57.2
  Top Layer w0.15: SW2.1@92,59.839 96.039,59.839 103.23,67.03 SW3.2@105.449,67.03 ; v1(93.35,47.7) 94.6,47.7 KEY2.1@94.65,47.75 ; v1(110.521,58.946) 110.521,58.825 110.725,58.621 110.725,51.675 P2.75@110.9,51.5
  Layer GND w0.15: v1(91.95,59.75) 92.925,58.775 106.155,58.775 106.493,59.112 108.363,59.112 108.529,58.946 v1(110.521,58.946)
  Layer VCC w0.15: v1(91.95,59.75) 93.35,58.35 v1(93.35,47.7)